# Altium PCB CM3_IO_V1.3_20220317.PcbDoc (part 5 of 7)
Units mil, origin at the board's own origin, x right, y up, seen from the top; angles counter-clockwise.
Board outline 6299.61 x 3544.09 mil, 4 copper layers (Top, GND, Power, Bottom), stack 35.4 mil thick; 551 components, 415 nets, 1958 pads, 2673 vias.
Unrouted connection lines stored in the file: 298.
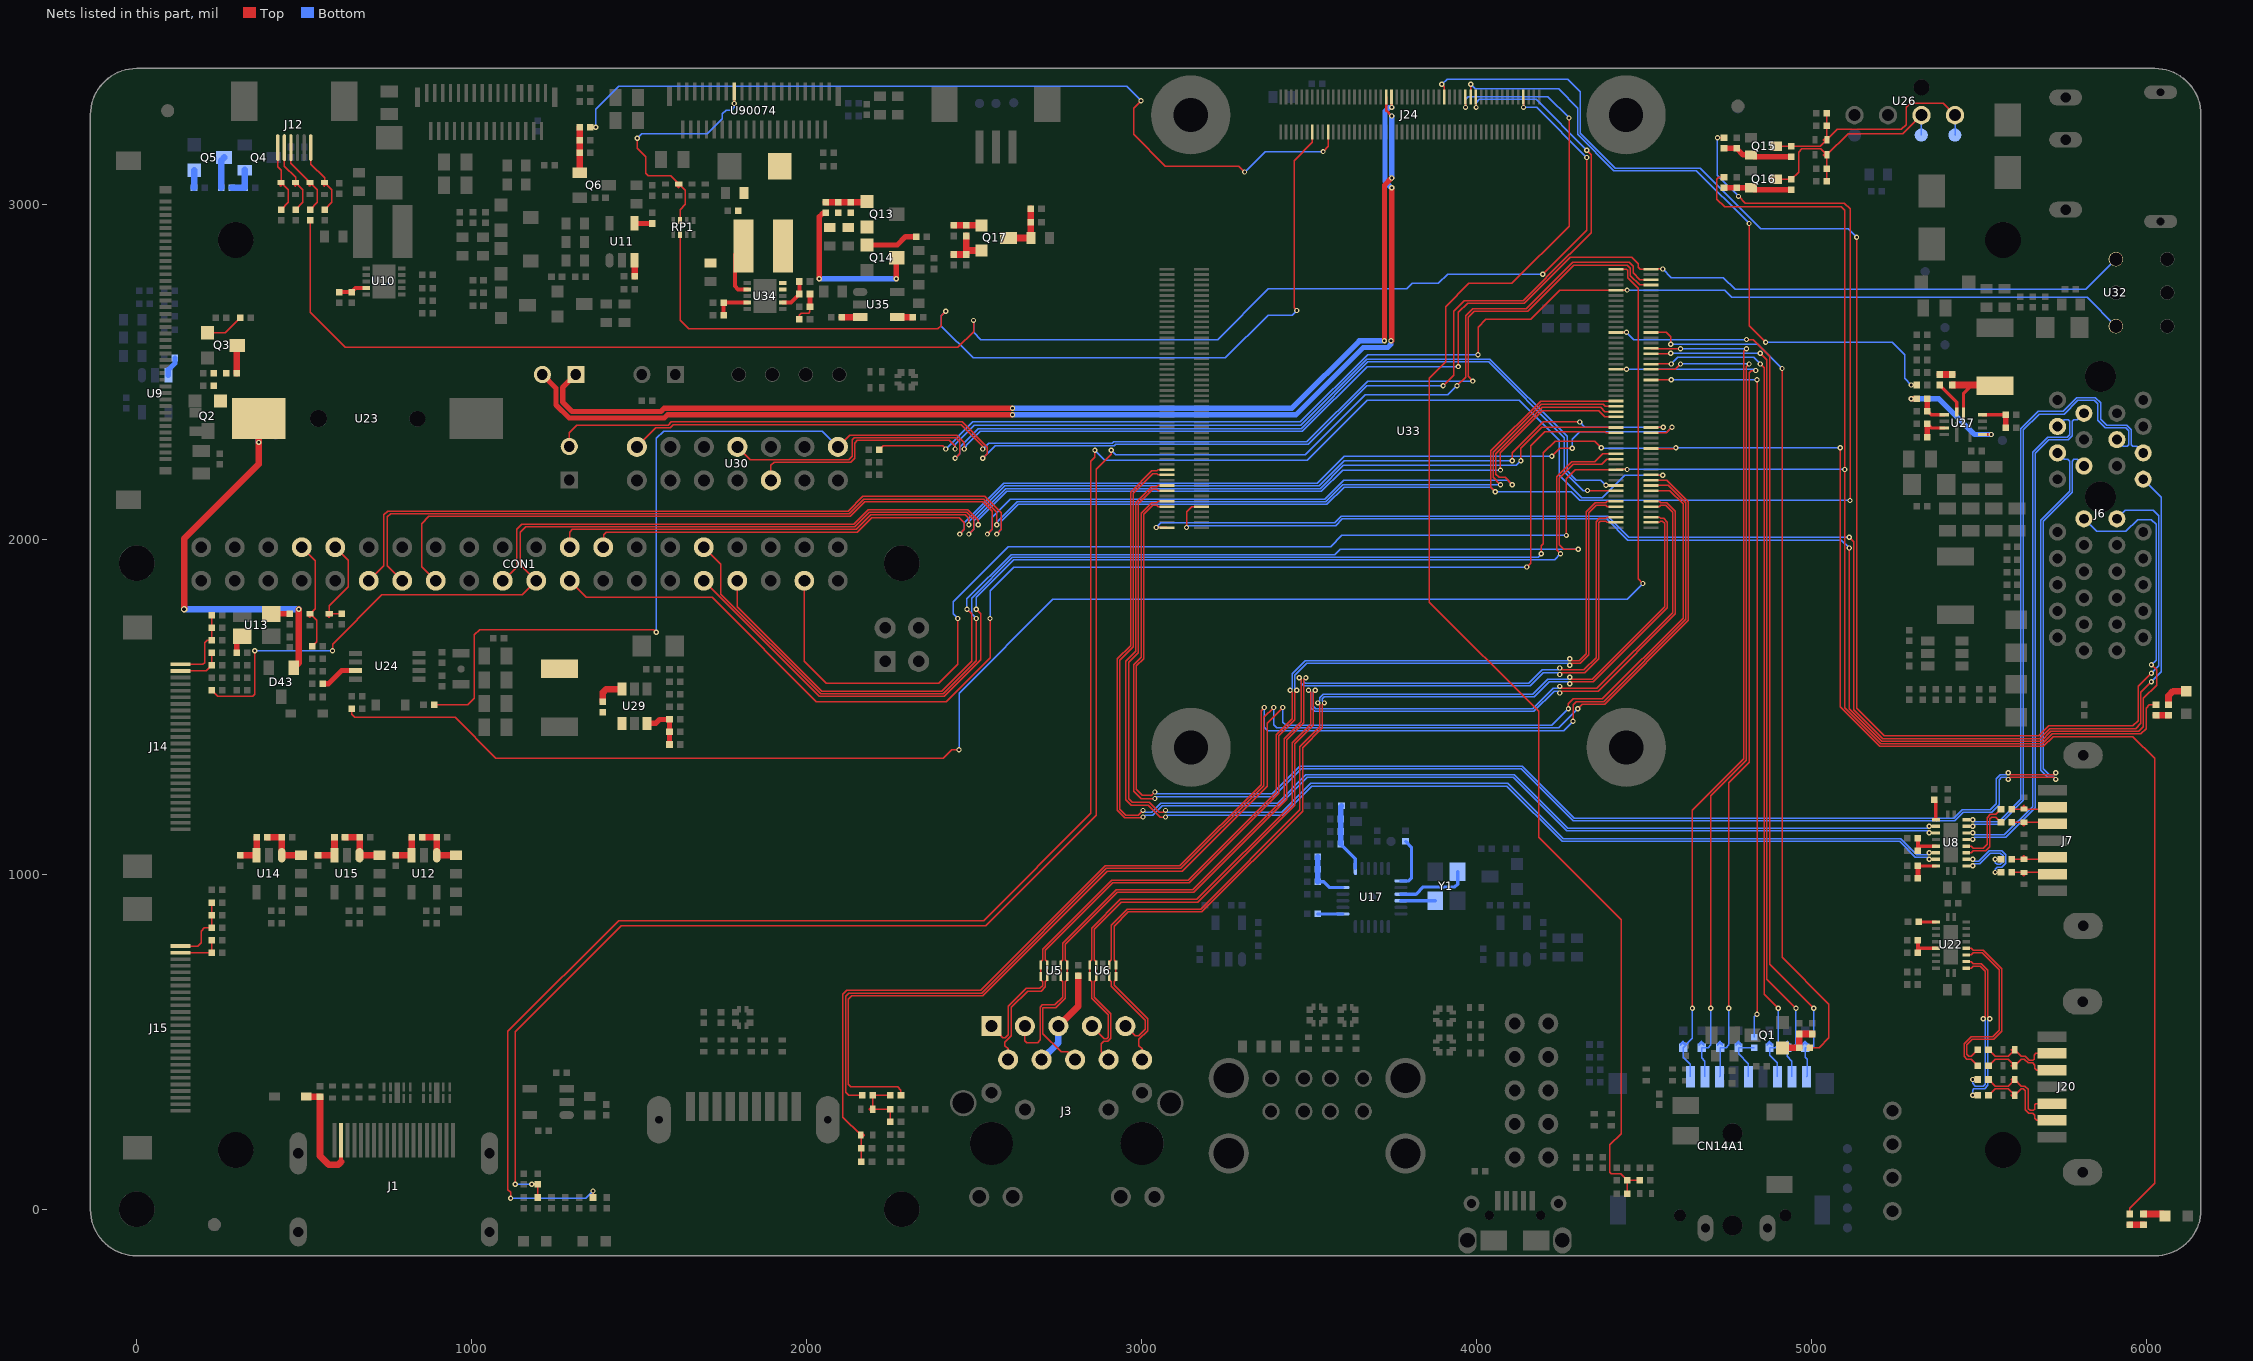
[diagram p7: the nets of this part, all layers, seen from the top]

## Via types
v1: diameter 15.75, hole 7.87, Top to Bottom, 2641 vias
v2: diameter 19.68, hole 11.81, Top to Bottom, 32 vias

## Nets (pads, with @x,y where several pads share a name; then routed paths per layer and width w, separated by ;. In a path a pad name is that pad's centre, name@x,y a point inside that pad or via, vN(x,y) a via of type N, cw(c..) or ccw(c..) an arc to the next point about the centre after c; other vN are vias at no path point) (continued)
N17923789: R52.2 R54.2 U10.9 | length 85.6
  Top w11.81: R54.2@604.33,2738.19 R52.2@641.73,2738.19 653.54,2750 U10.9@685.04,2750
N17925583: R70.2 U11.3 | length 47.2
  Top w19.68: R70.2@1486.22,2785.43 U11.3@1486.22,2832.68
N17925595: C63.1 U11.4 | length 53.1
  Top w15.75: U11.4@1486.22,2942.91 C63.1@1539.37,2942.91
N17929067: C165.1 Q13.2 R197.2 R198.2 R200.1
N17929082: C165.2 Q13.1 R200.2 R203.1 | length 123.9
  Top w19.68: R203.1@2057.09,3005.91 C165.2@2094.49,3005.91 R200.2@2131.89,3005.91 2177.31,3005.91 Q13.1@2179.88,3008.47
N17929088: Q14.3 R203.2 | length 503.4
  Top w15.75: v1(2037.4,2777.56) 2037.4,2962.6 2049.21,2974.41 R203.2@2057.09,2974.41 ; v1(2267.72,2777.56) 2267.72,2839.33 Q14.3@2268.94,2840.55
  Bottom w15.75: v1(2037.4,2777.56) v1(2267.72,2777.56)
N17929094: Q14.1 R204.2 | length 157.2
  Top w15.75: Q14.1@2179.88,2878.55 2270.28,2878.55 2295.28,2903.54 R204.2@2326.77,2903.54
N17929106: C159.1 C160.1 FB5.2 L14.1 U34.7 | length 172.2
  Top w11.81: L14.1@1811.02,2875.98 1785.43,2850.4 1785.43,2755.91 1795.28,2746.06 U34.7@1822.83,2746.06
N17929109: D50.1 L14.2 U34.4 U34.5
N17929110: R188.1 R190.2 U34.2 | length 97.6
  Top w11.81: U34.2@1928.74,2706.69 1952.76,2706.69 R190.2@1978.35,2732.28 R188.1@1978.35,2769.68
N17929111: C164.2 R190.1 R193.2 | length 100.5
  Top w3.94: R193.2@1978.35,2657.48 1978.35,2669.29 1984.25,2675.2 2005.91,2675.2 2009.84,2679.13 C164.2@2009.84,2694.88
  Top w15.75: C164.2@2009.84,2694.88 R190.1@2009.84,2732.28
N17929115: R187.2 R191.2 U34.9 | length 108.3
  Top w11.81: R191.2@1751.97,2669.29 R187.2@1751.97,2706.69 U34.9@1822.83,2706.69
N17929193: R205.2 U35.3 | length 55.1
  Top w19.68: R205.2@2104.33,2663.39 U35.3@2159.45,2663.39
N17929199: C173.1 U35.4 | length 47.2
  Top w19.68: U35.4@2269.68,2663.39 C173.1@2316.93,2663.39
N17943889: R87.1 U13.3 | length 55.7
  Top w15.75: R87.1@299.21,1661.42 299.21,1694.89 U13.3@314.96,1710.63
N17943950: R85.1 U13.1 | length 55.1
  Top w15.75: U13.1@401.58,1777.56 R85.1@456.69,1777.56
N17946134: C66.1 FB2.2 R84.2 U12.1 | length 153.5
  Top w19.68: R84.2@852.36,1110.24 FB2.2@895.67,1110.24 U12.1@895.67,1057.09 C66.1@952.76,1057.09
N17946764: C71.1 R84.1 U12.3 | length 100.4
  Top w19.68: C71.1@773.62,1057.09 U12.3@820.87,1057.09 R84.1@820.87,1110.24
N17957415: C77.1 FB4.2 R90.2 U15.1 | length 155.5
  Top w19.68: R90.2@622.05,1110.24 FB4.2@665.35,1110.24 U15.1@665.35,1057.09 C77.1@724.41,1057.09
N17957499: C82.1 R90.1 U15.3 | length 102.4
  Top w19.68: C82.1@541.34,1057.09 U15.3@590.55,1057.09 R90.1@590.55,1110.24
N17957817: C73.1 FB3.2 R89.2 U14.1 | length 153.5
  Top w19.68: R89.2@389.76,1110.24 FB3.2@433.07,1110.24 U14.1@433.07,1057.09 C73.1@490.16,1057.09
N17957901: C81.1 R89.1 U14.3 | length 102.4
  Top w19.68: C81.1@309.06,1057.09 U14.3@358.27,1057.09 R89.1@358.27,1110.24
N17973086: C110.2 D41.2 J20.2 | length 234.6
  Top w3.94: C110.2@5527.56,476.38 5547.24,456.69 5586.61,456.69 D41.2@5606.3,476.38 5625.98,456.69 5637.8,456.69 5649.61,444.88 5659.45,444.88 5663.39,448.82 5663.39,459.84 5669.29,465.75 J20.2@5717.72,465.75
N17973089: C112.2 D40.2 J20.3 | length 233.9
  Top w3.94: C112.2@5527.56,429.13 5547.24,448.82 5586.61,448.82 D40.2@5606.3,429.13 5625.98,448.82 5633.86,448.82 5645.67,437.01 5659.45,437.01 5665.75,430.71 5665.75,421.26 5671.26,415.75 J20.3@5717.72,415.75
N17973092: C113.2 D39.2 J20.5 | length 294.1
  Top w3.94: C113.2@5527.56,387.8 5547.24,368.11 5586.61,368.11 D39.2@5606.3,387.8 5625.98,368.11 5635.83,368.11 5645.67,358.27 5645.67,301.18 5651.57,295.28 5661.42,295.28 5665.35,299.21 5665.35,311.81 5669.29,315.75 J20.5@5717.72,315.75
N17973095: C114.2 D38.2 J20.6 | length 293
  Top w3.94: C114.2@5527.56,340.55 5547.24,360.24 5586.61,360.24 D38.2@5606.3,340.55 5625.98,360.24 5631.89,360.24 5637.8,354.33 5637.8,297.24 5647.64,287.4 5659.45,287.4 5665.35,281.5 5665.35,271.65 5671.26,265.75 J20.6@5717.72,265.75
N17973254: LED2.1 R131.2 | length 66.7
  Top w19.68: R131.2@5990.16,-13.78 6048.54,-13.78 LED2.1@6054.39,-19.63
N17975409: R132.2 U22.1 | length 51.7
  Top w9.84: R132.2@5318.9,858.27 5319.29,857.87 U22.1@5370.47,857.87
N17977866: R25.2 U8.1 | length 61.2
  Top w9.84: R25.2@5366.14,1222.44 5370.47,1218.11 U8.1@5370.47,1162.99
N17978284: C31.2 D8.2 J7.2 | length 126.9
  Top w3.94: C31.2@5596.46,1194.88 D8.2@5633.86,1194.88 5702.76,1194.88 5710.63,1202.76 5717.32,1202.76 J7.2@5719.29,1200.79
N17978286: C32.2 D7.2 J7.3 | length 124.8
  Top w3.94: C32.2@5596.46,1155.51 D7.2@5633.86,1155.51 5714.57,1155.51 J7.3@5719.29,1150.79
N17978288: C33.2 D6.2 J7.5 | length 125.1
  Top w3.94: C33.2@5596.46,1045.28 D6.2@5633.86,1045.28 5713.78,1045.28 J7.5@5719.29,1050.79
N17978290: C34.2 D5.2 J7.6 | length 125
  Top w3.94: C34.2@5596.46,1005.91 D5.2@5633.86,1005.91 5714.17,1005.91 J7.6@5719.29,1000.79
N17978408: LED1.1 R27.2 | length 86.1
  Top w19.68: R27.2@6064.96,1505.91 6064.96,1533.46 6078.68,1547.19 LED1.1@6117.77,1547.19
N18034361: R206.2 R207.2 U8.5 | length 90.9
  Top w9.84: 5316.93,1084.25 U8.5@5370.47,1084.25
  Top w11.81: R206.2@5316.93,1070.87 5316.93,1084.25 R207.2@5316.93,1108.27
N18035208: R208.2 R209.2 U22.5 | length 93.4
  Top w9.84: R209.2@5316.93,773.23 5322.83,779.13 U22.5@5370.47,779.13
  Top w11.81: R209.2@5316.93,765.75 5316.93,773.23 R208.2@5316.93,803.15
N18058072: D11.2 J12.4 R46.2 | length 226.6
  Top w3.94: J12.4@460.63,3169.29 460.63,3122.05 D11.2@517.72,3064.96 539.37,3043.31 539.37,3005.91 R46.2@517.72,2984.25
N18058125: D10.2 J12.5 R48.2 | length 216.8
  Top w3.94: J12.5@440.94,3169.29 440.94,3114.17 474.41,3080.71 D10.2@474.41,3064.96 496.06,3043.31 496.06,3005.91 R48.2@474.41,2984.25
N18108213: Q15.2 R210.2 R214.1 R219.2 | length 211.4
  Top w15.75: R214.1@4738.19,3167.32 R210.2@4775.59,3167.32 4795.28,3147.64 Q15.2@4818.9,3147.64 4822.83,3147.64 4828.74,3141.73 R219.2@4938.98,3141.73
N18108215: ED8197.2 Q15.3 R144.2 R211.2 R219.1 TP14.1 U26.4 | length 769.7
  Top w3.94: Q15.3@4893.7,3173.23 R219.1@4938.98,3173.23 5025.59,3173.23 ED8197.2@5045.28,3192.91 ; R211.2@5045.28,3271.65 R144.2@5045.28,3234.25 ED8197.2@5045.28,3192.91 ; U26.4@5427.56,3266.14 5392.52,3301.18 5293.31,3301.18 5281.5,3289.37 5281.5,3238.19 5267.72,3224.41 5076.77,3224.41 ED8197.2@5045.28,3192.91
  Bottom w3.94: TP14.1@5427.17,3206.69 5427.56,3207.09 U26.4@5427.56,3266.14
N18108227: ED8198.2 Q16.3 R213.2 R217.2 R218.1 TP15.1 U26.3 | length 700.9
  Top w3.94: Q16.3@4893.7,3074.8 R218.1@4938.98,3074.8 4960.63,3096.46 4960.63,3155.51 4970.47,3165.35 5027.56,3165.35 ED8198.2@5045.28,3147.64 ; R217.2@5045.28,3068.9 R213.2@5045.28,3106.3 ED8198.2@5045.28,3147.64 ; U26.3@5327.56,3266.14 5272.05,3210.63 5108.27,3210.63 ED8198.2@5045.28,3147.64
  Bottom w3.94: TP15.1@5326.77,3206.69 5327.56,3207.48 U26.3@5327.56,3266.14
N18108231: Q16.2 R212.2 R215.1 R218.2 | length 203.2
  Top w15.75: R215.1@4738.19,3049.21 R212.2@4775.59,3049.21 Q16.2@4818.9,3049.21 4822.83,3049.21 4828.74,3043.31 R218.2@4938.98,3043.31
N18119522: Q17.2 R221.2 R223.2 R9209.1 | length 138.2
  Top w19.68: R9209.1@2438.98,2850.39 R223.2@2476.38,2850.39 2476.38,2862.11 ; R221.2@2476.38,2905.51 2476.38,2862.11 ; Q17.2@2522.02,2862.11 2476.38,2862.11
N18119524: C176.1 Q17.1 R221.1 | length 83.1
  Top w19.68: C176.1@2438.98,2937.01 R221.1@2476.38,2937.01 2521.93,2937.01 Q17.1@2522.02,2937.11
N18119530: C174.1 C175.1 Q17.3 R222.1 | length 153.9
  Top w19.68: Q17.3@2602.02,2899.61 C174.1@2669.29,2899.61 C175.1@2669.29,2946.85 R222.1@2669.29,2986.22
N18132213: Q6.1 R63.1 R66.2 R67.2 | length 135.8
  Top w19.68: Q6.1@1322.83,3094.49 R67.2@1322.83,3153.54 R63.1@1322.83,3190.94 R66.2@1322.83,3230.31
N18881950: R42.1 U9.3 | length 59.3
  Bottom w15.75: U9.3@94.49,2490.16 94.49,2505.91 114.17,2525.59 R42.1@114.17,2541.34
N18912482: CON1.8 D49.2 R167.1 | length 332.5
  Top w3.94: CON1.8@492.91,1976.38 533.46,1935.83 533.46,1793.31 D49.2@517.72,1777.56 537.4,1757.87 537.4,1755.91 537.4,1694.88 R167.1@523.62,1681.1
N18912484: CON1.10 D48.2 R168.1 | length 276
  Top w3.94: CON1.10@592.91,1976.38 631.89,1937.4 631.89,1905.51 631.89,1858.27 574.8,1801.18 D48.2@574.8,1777.56 R168.1@612.2,1777.56
N19132698: C1.1 D1.2 J1.18 | length 360.3
  Top w11.81: 610.24,141.73 J1.18@610.24,206.69
  Top w19.68: D1.2@505.91,336.61 C1.1@547.24,336.61 547.24,159.45 572.83,133.86 602.36,133.86 610.24,141.73
N19323396: C143.1 R155.2 U27.6 | length 108.3
  Top w9.84: U27.6@5509.85,2372.05 C143.1@5578.74,2372.05
  Top w15.75: R155.2@5578.74,2332.68 C143.1@5578.74,2372.05
N19323402: C144.1 R156.2 U27.9 | length 92.7
  Top w9.84: C144.1@5344.49,2381.89 5346.46,2381.89 5356.3,2372.05 U27.9@5395.67,2372.05
  Top w15.75: C144.1@5344.49,2381.89 R156.2@5344.49,2419.29
N19323495: C129.2 L12.1 U27.7 | length 303.9
  Top w9.84: U27.7@5452.76,2364.17 5452.76,2435.04 5476.38,2458.66 L12.1@5547.24,2458.66
  Top w19.68: C129.2@5419.29,2460.63 5545.28,2460.63 L12.1@5547.24,2458.66
N19323501: R149.1 R152.2 U27.11 | length 95.4
  Top w9.84: R152.2@5344.49,2344.49 5356.3,2332.68 U27.11@5395.67,2332.68
  Top w15.75: R149.1@5344.49,2305.12 R152.2@5344.49,2344.49
N19323523: R147.1 U27.8 | length 101.9
  Top w9.84: R147.1@5381.89,2460.63 5433.07,2409.45 U27.8@5433.07,2379.92
N19323525: C129.1 R147.2 | length 37.4
  Top w19.68: R147.2@5381.89,2492.13 C129.1@5419.29,2492.13
N19323570: R156.1 U27.3 | length 323.6
  Top w9.84: U27.3@5509.85,2312.99 v1(5535.43,2312.99)
  Top w15.75: v1(5297.24,2419.29) R156.1@5312.99,2419.29
  Bottom w15.75: v1(5297.24,2419.29) 5379.92,2419.29 5486.22,2312.99 v1(5535.43,2312.99)
N19395058: C89.1 R94.2 R97.2 U17.17 | length 156.9
  Bottom w9.84: R94.2@3525.59,978.35 3543.31,978.35 3561.02,960.63 U17.17@3600.39,960.63
  Bottom w15.75: R94.2@3525.59,978.35 C89.1@3525.59,1015.75 R97.2@3525.59,1053.15
N19395105: R102.1 U17.13 | length 74.8
  Bottom w9.84: R102.1@3525.59,881.89 U17.13@3600.39,881.89
N19395221: U17.3 Y1.1 | length 218.9
  Bottom w9.84: U17.3@3773.62,940.94 3818.9,940.94 3840.55,962.6 3935.04,962.6 3942.91,970.47 Y1.1@3942.91,1007.88
N19395225: U17.4 Y1.3 | length 102.4
  Bottom w9.84: U17.4@3773.62,921.26 Y1.3@3875.99,921.26
N19395584: C84.1 C87.1 C88.1 L4.2 U17.19 | length 205.8
  Bottom w9.84: C87.1@3594.49,1090.55 3637.8,1047.24 U17.19@3637.8,1017.72
  Bottom w15.75: C87.1@3594.49,1090.55 C88.1@3594.49,1127.95 C84.1@3594.49,1165.35 3594.49,1202.76 L4.2@3596.46,1204.72
N19610334: C3.2 J3.4 J3.5 | length 295.1
  Top w19.68: J3.5@2751.18,547.24 2811.02,607.09 C3.2@2811.02,696.85
  Bottom w19.68: J3.4@2701.18,447.24 2751.18,497.24 J3.5@2751.18,547.24
N19614789: D4.2 R5.2 R6.2 R8.2 R9.1 | length 185
  Top w3.94: R9.1@2250,261.81 R8.2@2250,299.21 D4.2@2196.85,299.21 R6.2@2196.85,340.55 R5.2@2250,340.55
N19638712: C145.2 L13.1 U29.6 | length 88.7
  Top w19.68: C145.2@1391.73,1515.75 1391.73,1543.31 1401.57,1553.15 U29.6@1448.82,1553.15
N19638714: C145.1 U29.1
N19638732: C148.2 R157.2 R161.1 U29.3 | length 146.6
  Top w15.75: U29.3@1523.62,1450.79 1549.21,1450.79 1561.02,1462.6 R161.1@1590.55,1462.6 C148.2@1590.55,1425.2 R157.2@1590.55,1387.8
N19658373: CN14A1.5 ED12.1 R11.2 | length 146.7
  Bottom w3.94: CN14A1.5@4811.02,395.89 4811.02,435.04 4781.5,464.57 ED12.1@4781.5,482.87 4828.15,482.87 R11.2@4828.74,482.28
N19659610: C6.2 Q1.1 R12.2 R13.1 | length 130.9
  Top w19.68: Q1.1@4912.64,481.68 4913.24,482.28 R13.1@4962.6,482.28 C6.2@4962.6,523.62 R12.2@5001.97,523.62
N19662232: C38.2 Q2.1 R37.2 R39.1
N19662254: Q3.3 R39.2 | length 83.9
  Top w19.68: R39.2@299.21,2496.06 299.21,2578.74 Q3.3@300.44,2578.74
N19662390: Q3.1 R41.2 | length 116.2
  Top w3.94: Q3.1@211.38,2616.74 264.38,2616.74 R41.2@309.06,2661.42
N19675077: D12.2 J12.1 R45.2 | length 220.1
  Top w3.94: J12.1@519.69,3169.29 519.69,3120.08 561.02,3078.74 D12.2@561.02,3064.96 582.68,3043.31 582.68,3005.91 R45.2@561.02,2984.25
N19675113: D9.2 J12.6 R49.2 | length 207.1
  Top w3.94: J12.6@421.26,3169.29 421.26,3112.2 431.1,3102.36 D9.2@431.1,3064.96 452.76,3043.31 452.76,3005.91 R49.2@431.1,2984.25
N19676994: Q4.1 R47.1 R50.2 | length 92.5
  Bottom w19.68: R50.2@283.46,3049.21 R47.1@322.83,3049.21 Q4.1@322.83,3102.36
N178561170: Q5.1 R51.1 | length 52.9
  Bottom w19.68: R51.1@171.26,3049.21 172.01,3049.96 Q5.1@172.01,3101.76
N178564242: Q5.3 R50.1 | length 94.3
  Bottom w19.68: R50.1@251.97,3049.21 251.97,3129.92 259.84,3137.8 259.84,3138.54 Q5.3@261.07,3139.76
NPWR_LED: R178.1 R179.2 U33.95 | length 5667.4
  Top w3.94: v1(1129.92,74.8) 1129.92,530.62 1445.76,846.46 2534.86,846.46 2864.17,1175.77 2864.17,2208.6 2909.45,2253.87 v1(2909.45,2265.75) ; v1(1179.13,74.8) R179.2@1196.85,74.8 R178.1@1196.85,35.43 ; v1(3940.94,2458.66) 3966.54,2484.25 3966.54,2667.32 3988.19,2688.98 4148.31,2688.98 4286.11,2826.77 4454.72,2826.77 4466.54,2814.96 4466.54,2795.28 4486.81,2775 U33.95@4520.47,2775
  Bottom w3.94: v1(1129.92,74.8) v1(1179.13,74.8) ; v1(2909.45,2265.75) 2923.23,2251.97 3487.57,2251.97 3666.7,2431.1 3913.39,2431.1 v1(3940.94,2458.66)
NRPIBOOT: U30.2 U33.93 | length 3486.1
  Top w3.94: U30.2@1493.31,2275.98 1550,2332.68 1592.52,2332.68 1602.36,2342.52 2461.31,2342.52 2525.59,2278.23 v1(2525.59,2269.68) ; v1(3988.19,2472.44) 3974.41,2486.22 3974.41,2663.39 3992.13,2681.1 4151.57,2681.1 4289.37,2818.9 4448.82,2818.9 4458.66,2809.06 4458.66,2787.4 4486.81,2759.25 U33.93@4520.47,2759.25
  Bottom w3.94: v1(2525.59,2269.68) 2543.31,2287.4 2912.52,2287.4 2916.46,2291.34 3493.01,2291.34 3674.11,2472.44 v1(3988.19,2472.44)
OVCJ: R96.2 U17.1 | length 152.3
  Bottom w9.84: U17.1@3773.62,980.31 3797.24,980.31 3805.12,988.19 3805.12,1080.71 R96.2@3787.4,1098.43
PCIE20_CLKREQN_M2: J6.B12 U33.102 | length 4347.8
  Top w3.94: v1(3043.31,2035.43) 3074.61,2035.43 U33.102@3075.2,2034.84 ; v1(5112.2,2005.91) 5125.98,1992.13 5125.98,1492.07 5212.54,1405.51 5681.16,1405.51 5710.69,1435.04 5966.54,1435.04 5982.28,1450.79 5982.28,1543.31 v1(6013.78,1574.8)
  Bottom w3.94: v1(3043.31,2035.43) 3057.09,2049.21 3575.48,2049.21 3595.16,2068.9 4391.06,2068.9 4454.05,2005.91 v1(5112.2,2005.91) ; J6.B12@5989.37,2179.53 6043.31,2125.59 6043.31,1604.33 v1(6013.78,1574.8)
PCIE20_REFCLKN: J6.A14 U33.112 | length 4959.3
  Top w3.94: v1(3039.37,1226.38) 2998.03,1226.38 2976.38,1248.03 2976.38,1625.98 2998.03,1647.64 2998.03,2077.81 3029.87,2109.65 3045.28,2109.65 3049.21,2113.58 U33.112@3075.2,2113.58 ; v1(5586.61,1283.46) 5592.52,1289.37 5722.44,1289.37 v1(5728.35,1283.46)
  Bottom w3.94: v1(3039.37,1226.38) 3045.28,1232.28 3340.21,1232.28 3393.03,1232.28 3475.7,1314.96 4132.57,1314.96 4288.08,1159.45 5426.49,1159.45 5452.08,1185.04 5536.73,1185.04 5559.05,1207.37 5559.05,1282.17 5566.25,1289.37 5580.71,1289.37 v1(5586.61,1283.46) ; v1(5728.35,1283.46) 5722.44,1289.37 5705.06,1289.37 5683.07,1311.36 5683.07,2057.09 5769.69,2143.7 5769.69,2233.86 5764.76,2238.78 5752.95,2238.78 J6.A14@5733.46,2258.27
PCIE20_REFCLKP: J6.A13 U33.110 | length 4920.9
  Top w3.94: v1(3039.37,1246.06) 3028.61,1235.3 3027.69,1236.22 3001.97,1236.22 2984.25,1253.94 2984.25,1285.43 2984.25,1622.05 3005.91,1643.7 3005.91,2074.55 3033.13,2101.77 3045.28,2101.77 3049.21,2097.83 U33.110@3075.2,2097.83 ; v1(5586.61,1303.15) 5592.52,1297.24 5722.44,1297.24 v1(5728.35,1303.15)
  Bottom w3.94: v1(3039.37,1246.06) 3045.28,1240.16 3389.76,1240.16 3472.44,1322.83 4135.83,1322.83 4291.34,1167.32 5423.23,1167.32 5448.82,1192.91 5533.46,1192.91 5551.18,1210.63 5551.18,1285.43 5562.99,1297.24 5580.71,1297.24 v1(5586.61,1303.15) ; v1(5728.35,1303.15) 5722.44,1297.24 5708.32,1297.24 5690.94,1314.62 5690.94,2053.83 5777.56,2140.44 5777.56,2233.86 5782.09,2238.38 5792.72,2238.38 J6.A13@5812.2,2218.9
PCIE20_RXN: U8.7 U33.118 | length 3581.3
  Top w3.94: v1(3070.87,1171.26) 3055.12,1171.26 3019.69,1206.69 2968.5,1206.69 2952.76,1222.44 2952.76,1635.83 2982.28,1665.35 2982.28,2109.31 3029.87,2156.89 3045.28,2156.89 3049.21,2160.83 U33.118@3075.2,2160.83 ; v1(5350.39,1045.28) 5370.08,1045.28 U8.7@5370.47,1044.88
  Bottom w3.94: v1(3070.87,1171.26) 3076.77,1177.17 3407.48,1177.17 3420.58,1177.17 3507.2,1263.78 4089.26,1263.78 4254.61,1098.43 5262.15,1098.43 5309.39,1051.18 5344.49,1051.18 v1(5350.39,1045.28)
PCIE20_RXN_1: J6.A17 U8.15 | length 1522.6
  Top w3.94: U8.15@5461.02,1103.94 5461.42,1104.33 v1(5480.31,1104.33)
  Bottom w3.94: v1(5480.31,1104.33) 5486.22,1110.24 5578.4,1110.24 5667.32,1199.16 5667.32,2256.58 5707.99,2297.24 5765.41,2297.24 5777.56,2309.39 5777.56,2351.97 5782.48,2356.89 5792.72,2356.89 J6.A17@5812.2,2376.38
PCIE20_RXP: U8.6 U33.116 | length 3554.8
  Top w3.94: v1(3070.87,1190.94) 3064.96,1185.04 3052.47,1185.04 3022.95,1214.57 2972.44,1214.57 2960.63,1226.38 2960.63,1632.56 2990.16,1662.09 2990.16,2106.05 3033.13,2149.02 3045.28,2149.02 3049.21,2145.08 U33.116@3075.2,2145.08 ; v1(5350.39,1064.96) 5370.08,1064.96 U8.6@5370.47,1064.57
  Bottom w3.94: v1(3070.87,1190.94) 3076.77,1185.04 3417.32,1185.04 3503.94,1271.65 4092.52,1271.65 4257.87,1106.3 5265.41,1106.3 5312.65,1059.05 5344.49,1059.05 v1(5350.39,1064.96)
PCIE20_RXP_1: J6.A16 U8.16 | length 1511
  Top w3.94: U8.16@5461.02,1123.62 5461.42,1124.02 v1(5480.31,1124.02)
  Bottom w3.94: v1(5480.31,1124.02) 5486.22,1118.11 5575.14,1118.11 5659.45,1202.42 5659.45,2259.84 5704.72,2305.12 5762.15,2305.12 5769.69,2312.65 5769.69,2351.97 5765.16,2356.49 5752.95,2356.49 J6.A16@5733.46,2337.01
PCIE20_TXN: U8.3 U33.124 | length 3673.4
  Top w3.94: v1(3003.94,1171.26) 3001.97,1169.29 2948.82,1169.29 2927.17,1190.94 2927.17,1643.7 2966.54,1683.07 2966.54,2140.8 3029.87,2204.13 3045.28,2204.13 3049.21,2208.07 U33.124@3075.2,2208.07 ; v1(5350.39,1124.02) 5370.08,1124.02 U8.3@5370.47,1123.62
  Bottom w3.94: v1(3003.94,1171.26) 3009.84,1177.17 3033.46,1177.17 3061.02,1204.72 3408.77,1204.72 3493.42,1289.37 4108.94,1289.37 4268.39,1129.92 5344.49,1129.92 v1(5350.39,1124.02)
PCIE20_TXN_1: J6.B15 U8.17 | length 1813.8
  Top w3.94: U8.17@5461.02,1143.31 5461.42,1143.7 v1(5480.31,1143.7)
  Bottom w3.94: v1(5480.31,1143.7) 5486.22,1149.61 5560.69,1149.61 5631.89,1220.81 5631.89,2327.11 5678.8,2374.02 5753.26,2374.02 5794.6,2415.35 5843.2,2415.35 5854.33,2404.22 5854.33,2355.01 5876.66,2332.68 5937.35,2332.68 5946.06,2323.96 5946.06,2281.89 5942.32,2278.15 5930.12,2278.15 J6.B15@5910.63,2297.64
PCIE20_TXP: U8.2 U33.122 | length 3652.5
  Top w3.94: v1(3003.94,1190.94) 2991.36,1178.36 2991.36,1177.17 2952.76,1177.17 2935.04,1194.88 2935.04,1639.76 2974.41,1679.13 2974.41,2137.54 3033.13,2196.26 3045.28,2196.26 3049.21,2192.32 U33.122@3075.2,2192.32 ; v1(5350.39,1143.7) 5370.08,1143.7 U8.2@5370.47,1143.31
  Bottom w3.94: v1(3003.94,1190.94) 3009.84,1185.04 3029.53,1185.04 3057.09,1212.6 3405.51,1212.6 3490.16,1297.24 4112.2,1297.24 4271.65,1137.8 5344.49,1137.8 v1(5350.39,1143.7)
PCIE20_TXP_1: J6.B14 U8.18 | length 1827
  Top w3.94: U8.18@5461.02,1162.99 5461.42,1163.39 v1(5480.31,1163.39)
  Bottom w3.94: v1(5480.31,1163.39) 5486.22,1157.48 5557.42,1157.48 5624.02,1224.07 5624.02,2330.37 5675.53,2381.89 5750,2381.89 5791.34,2423.23 5846.46,2423.23 5862.2,2407.48 5862.2,2358.27 5879.92,2340.55 5940.61,2340.55 5953.94,2327.22 5953.94,2281.89 5958.07,2277.75 5969.88,2277.75 J6.B14@5989.37,2258.27
PCIE20_WAKEN: J6.B11 J24.38 | length 4633
  Top w3.94: v1(3895.67,3358.27) 3902.95,3350.98 J24.38@3902.95,3320.08 ; v1(5133.86,2901.57) 5133.86,1495.33 5215.8,1413.39 5677.9,1413.39 5707.43,1442.91 5958.66,1442.91 5974.41,1458.66 5974.41,1561.02 v1(6013.78,1600.39)
  Bottom w3.94: v1(3895.67,3358.27) 3911.42,3374.02 4271.65,3374.02 4309.06,3336.61 4309.06,3212.6 4413.39,3108.27 4667.32,3108.27 4848.43,2927.17 5108.27,2927.17 v1(5133.86,2901.57) ; J6.B11@5910.63,2061.42 5935.83,2086.61 6019.69,2086.61 6035.43,2070.87 6035.43,1622.05 v1(6013.78,1600.39)
PCIE_EN_L: R26.1 R28.1 U8.8 | length 91.1
  Top w9.84: R26.1@5316.93,1025.59 5317.32,1025.2 U8.8@5370.47,1025.2
  Top w15.75: R28.1@5316.93,988.19 R26.1@5316.93,1025.59
PCIE_NRST: J6.A11 U33.109 | length 4423.3
  Top w3.94: v1(3133.86,2035.43) 3133.86,2082.09 3149.61,2097.83 U33.109@3179.13,2097.83 ; v1(5112.2,1974.41) 5112.2,1494.71 5209.28,1397.64 5684.42,1397.64 5713.95,1427.17 5976.38,1427.17 5990.16,1440.94 5990.16,1525.59 6029.53,1564.96 6029.53,1610.24 v1(6013.78,1625.98)
  Bottom w3.94: v1(3133.86,2035.43) 3139.76,2041.34 3578.74,2041.34 3598.43,2061.02 4387.8,2061.02 4450.79,1998.03 5088.58,1998.03 v1(5112.2,1974.41) ; J6.A11@5812.2,2061.42 5850,2023.62 5937.01,2023.62 5972.44,2059.06 6013.78,2059.06 6027.56,2045.28 6027.56,1639.76 v1(6013.78,1625.98)
PHY1_LED0_Y1: R6.1 U33.19 | length 4011.6
  Top w3.94: R6.1@2165.35,340.55 2125.98,340.55 2116.14,350.39 2116.14,635.83 2125.98,645.67 2522.33,645.67 2894.38,1017.72 3117.24,1017.72 3364.17,1264.65 3364.17,1468.5 v1(3393.7,1498.03) ; v1(4301.18,1494.09) 4314.96,1507.87 4381.89,1507.87 4631.89,1757.87 4631.89,2112.2 4567.52,2176.57 U33.19@4520.47,2176.57
  Bottom w3.94: v1(3393.7,1498.03) 3393.7,1446.85 3403.54,1437.01 4244.09,1437.01 v1(4301.18,1494.09)